# Altium PCB Time4CM4_Modular.PcbDoc (part 1 of 2)
Units mil, origin at the board's own origin, x right, y up, seen from the top; angles counter-clockwise.
Board outline 2726.38 x 1574.8 mil, 4 copper layers (Top Layer, Int1 (GND), Int2 (PWR), Bottom Layer), stack 61.418 mil thick; 31 components, 154 nets, 562 pads, 473 vias.
Unrouted connection lines stored in the file: 167.
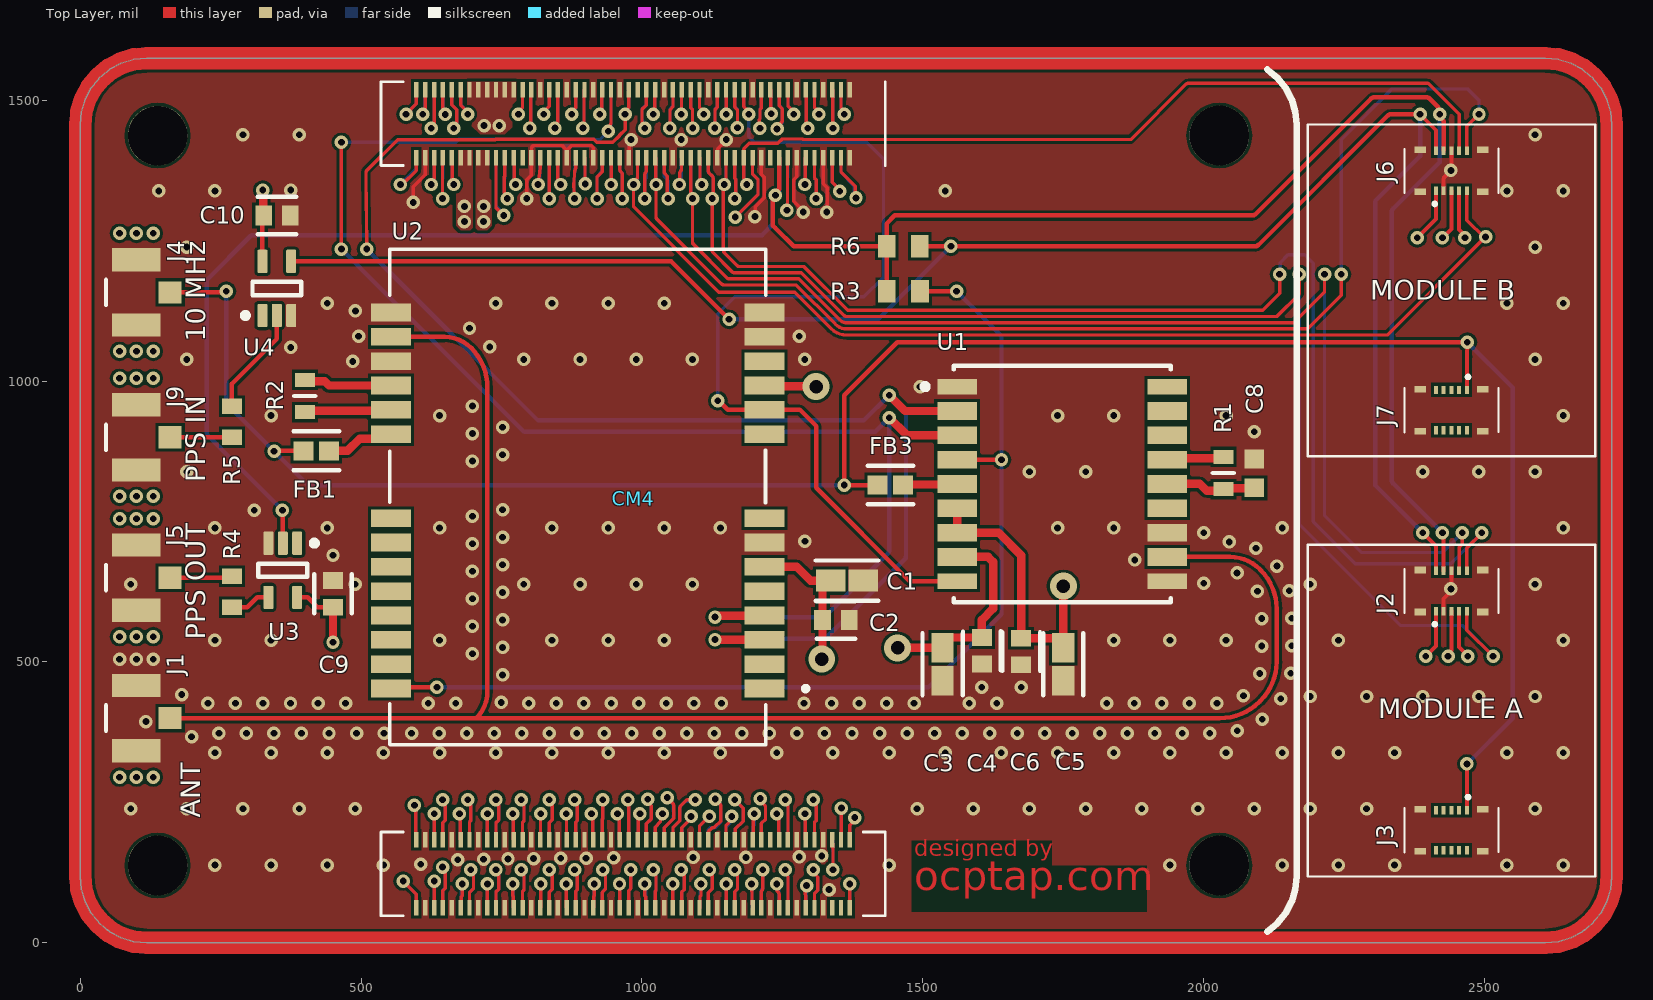
[diagram p0: Top Layer view]
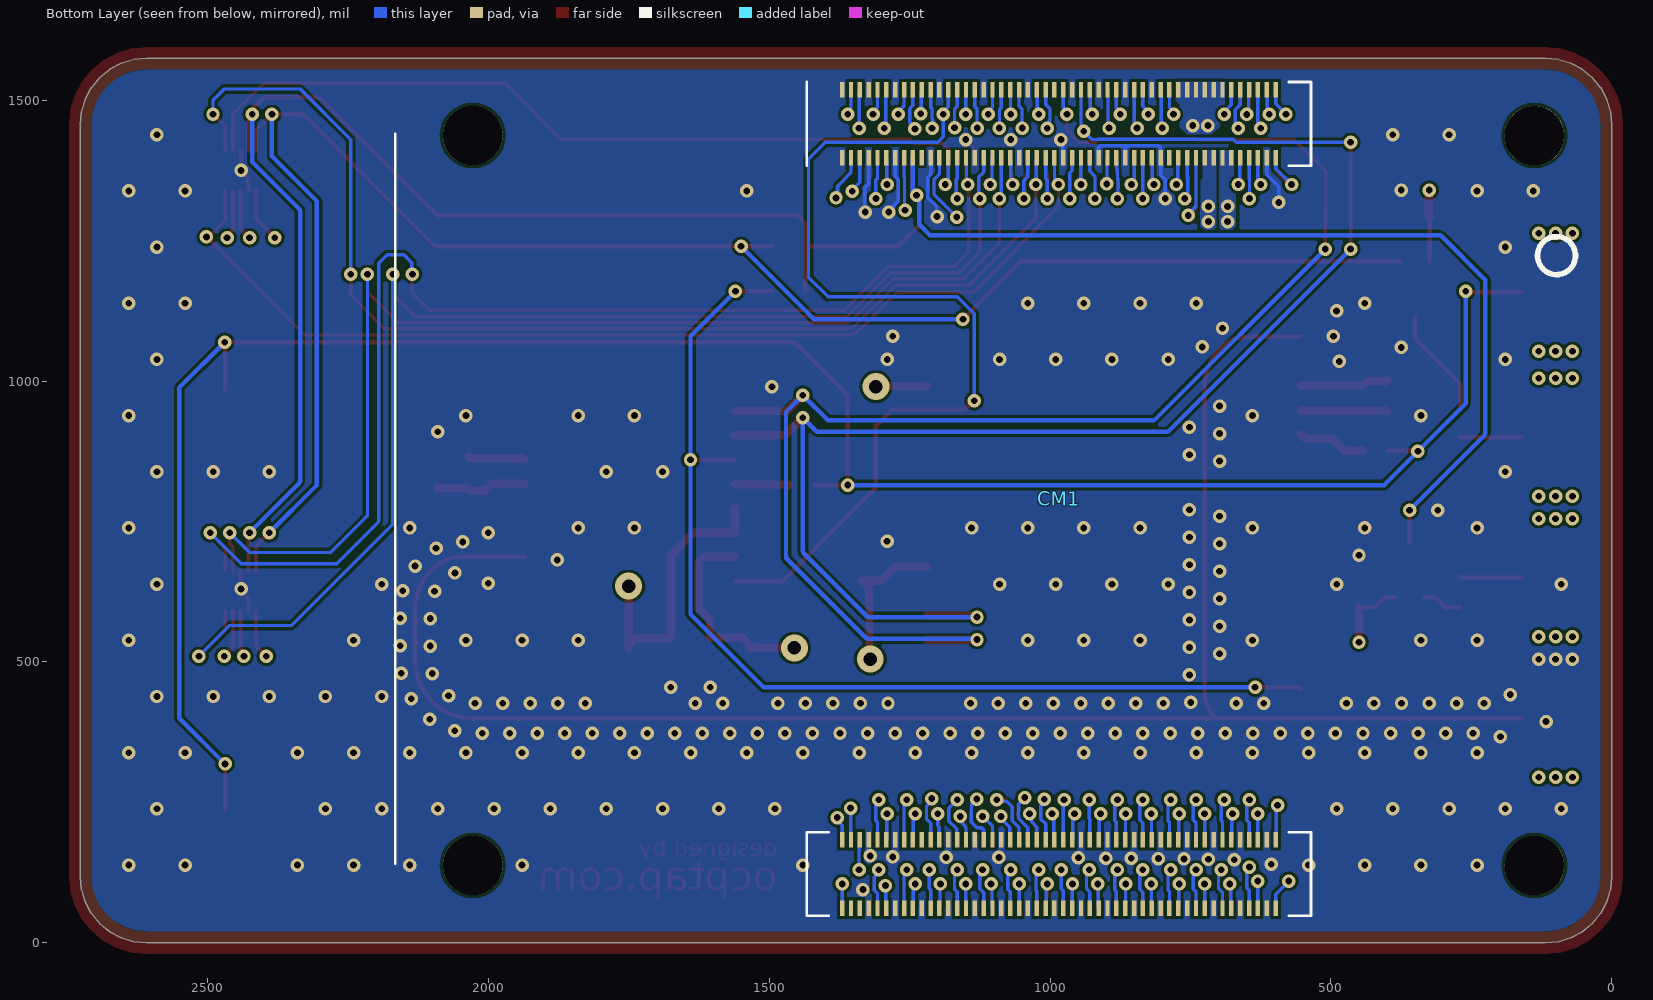
[diagram p1: Bottom Layer view, seen from below]
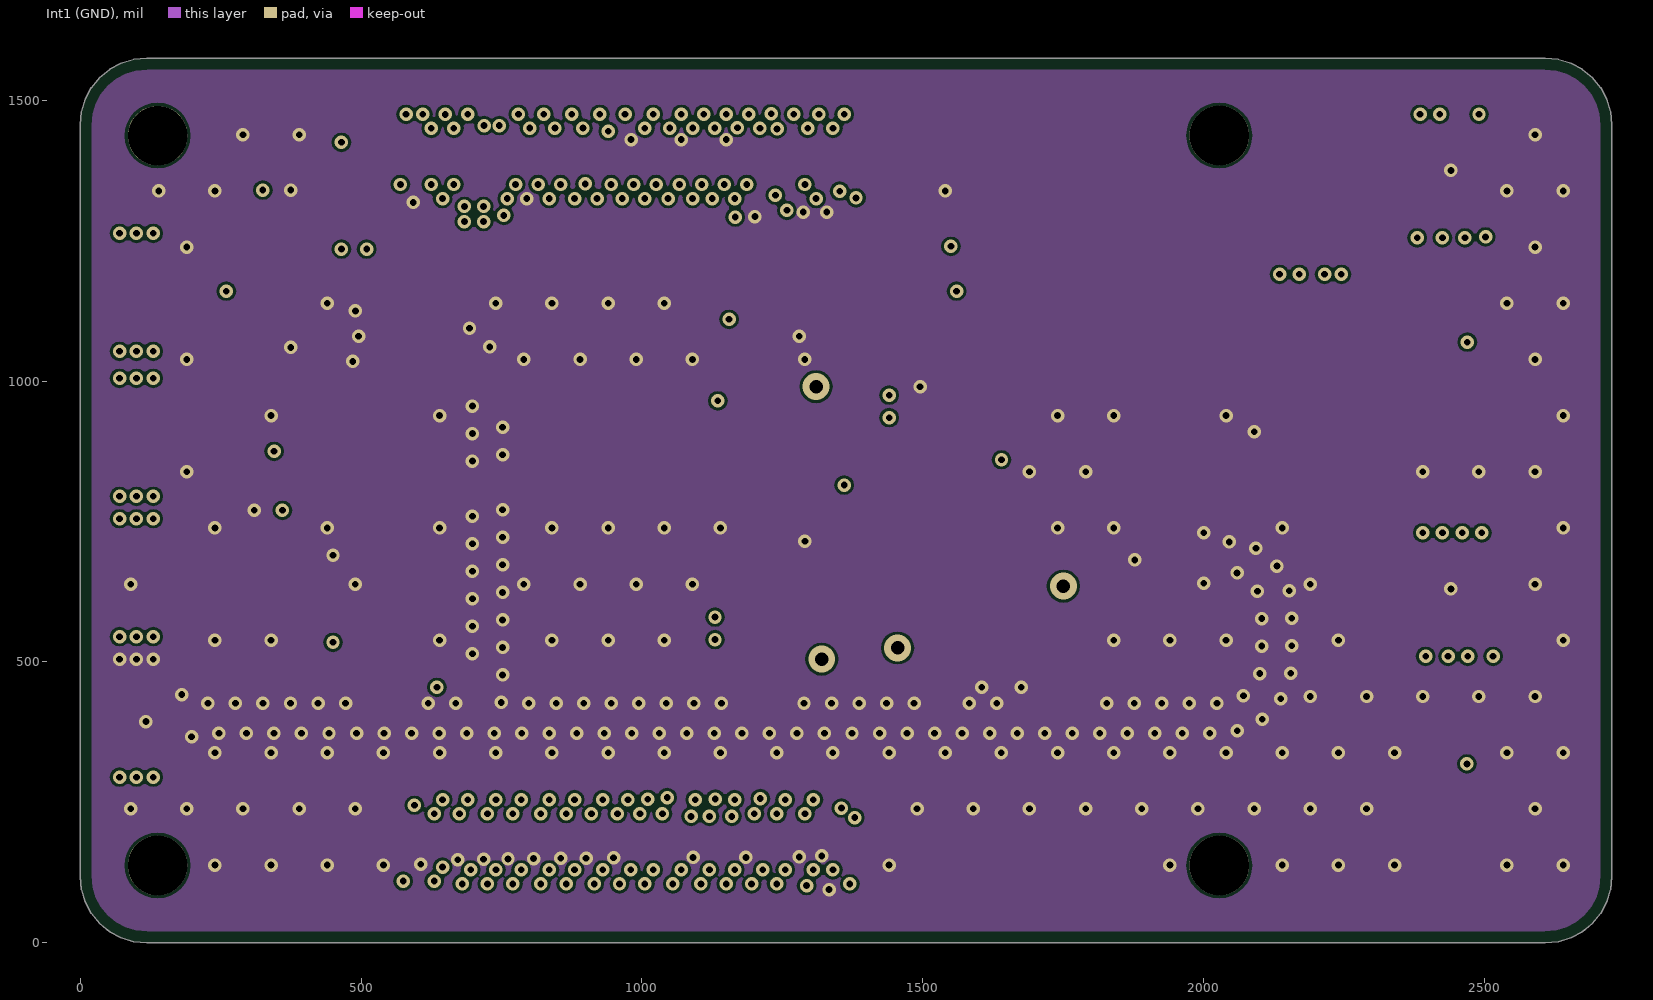
[diagram p2: Int1 (GND)]
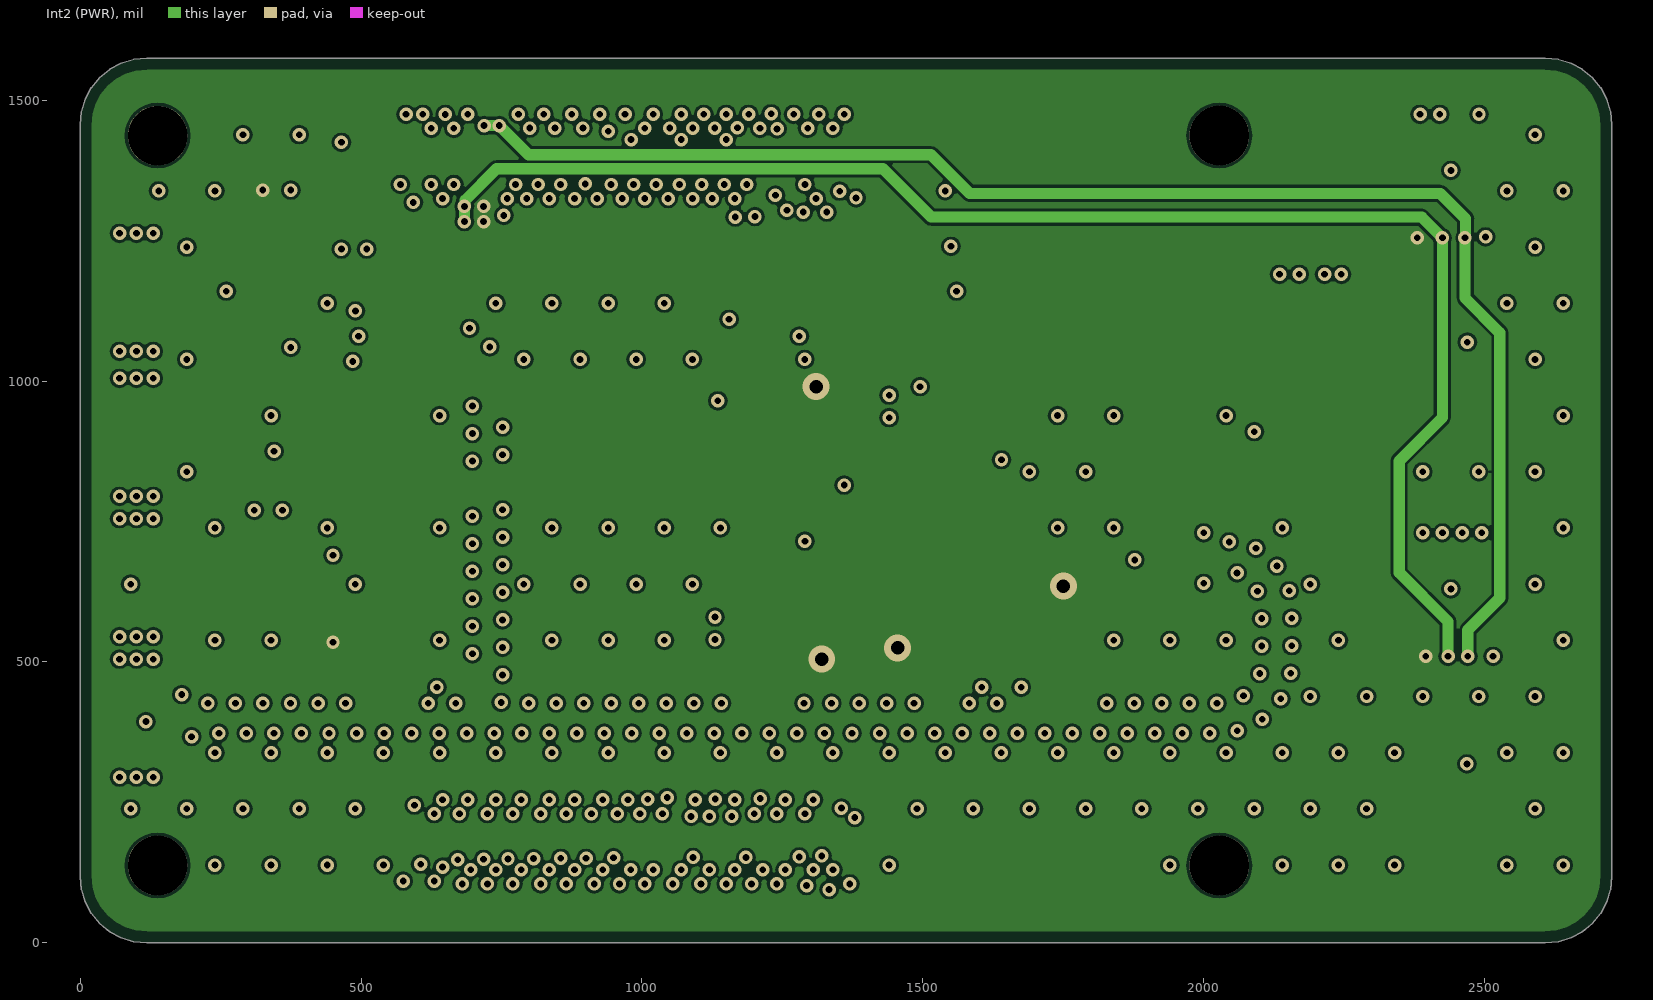
[diagram p3: Int2 (PWR)]

## Layer stack, top to bottom
Top Solder: solder mask 1, SM-001, Dk 4
Top Layer: signal copper 1.378
Dielectric 1: prepreg 2.1654, PP-017, Dk 4.3
Dielectric 2: prepreg 2.1654, PP-017, Dk 4.3
Int1 (GND): signal copper 1.378
Dielectric 3: core 47.244, Core-039, Dk 4.8
Int2 (PWR): signal copper 1.378
Dielectric 4: prepreg 2.1654, PP-017, Dk 4.3
Dielectric 5: prepreg 2.1654, PP-017, Dk 4.3
Bottom Layer: signal copper 1.378
Bottom Solder: solder mask 1, SM-001, Dk 4

## Board outline
8.99,72.91 2.27,95.07 0,118.11 0,1456.69 2.27,1479.73 8.99,1501.89 19.9,1522.31 34.59,1540.21 52.49,1554.9 72.91,1565.81 95.07,1572.53 118.11,1574.8 2608.27,1574.8 2631.31,1572.53 2653.47,1565.81 2673.89,1554.9 2691.78,1540.21 2706.47,1522.31 2717.39,1501.89 2724.11,1479.73 2726.38,1456.69 2726.38,118.11 2724.11,95.07 2717.39,72.91 2706.47,52.49 2691.78,34.59 2673.89,19.9 2653.47,8.99 2631.31,2.27 2608.27,0 118.11,0 95.07,2.27 72.91,8.99 52.49,19.9 34.59,34.59 19.9,52.49

## Design rules (kind name [scope] priority, off if disabled: settings)
BoardOutlineClearance BoardOutlineClearance_Polygon [IsPolygon] p1: gap=20 ignorepadtopadclearanceinfootprint=FALSE
Clearance [All] p1: gap=5 ignorepadtopadclearanceinfootprint=FALSE
HoleSize [All] p1: absolutevalues=TRUE maxlimit=120 minlimit=6 maxpercent=80.000 minpercent=20.000
PlaneClearance [All] p1: clearance=8
PlaneConnect [All] p1: planeconnectstyle=Direct reliefexpansion=20 reliefentries=4 reliefconductorwidth=10 reliefairgap=10
PolygonConnect [All] p1: connectstyle=Direct reliefconductorwidth=10 reliefentries=4 polygonreliefangle="90 Angle" airgapwidth=10
RoutingVias [All] p1: holewidth=6 width=20 viastyle="Through Hole" minholewidth=6 minwidth=10 maxholewidth=50 maxwidth=100
SolderMaskExpansion [All] p1: expansion=4 istentingtop=FALSE
Width [All] p1: maxlimit=150 minlimit=6 preferedwidth=10
27 further rules are at their usual default settings.

## Classes and differential pairs
net class Modular_BO_Nets: 1V8 3V3 5V 10MHz ETH_SYNC_OUT GND GNSS_RF_IN GPIO_5 GPIO_6 GPIO_11 GPIO_17 GPIO_19 GPIO_22 NetJ2_2 NetJ5_1 NetJ9_1 NetR4_2 NetR5_2
net class GNSS_Nets: 3V3 10MHz ETH_SYNC_OUT GND GNSS_RESET GNSS_RF_IN GNSS_USB_DM GNSS_USB_DP LEA_V_ANT LEA_VCC_RF MAX_V_ANT MAX_VCC_RF NetFB1_2 NetFB3_2 NetJ2_2 NetU1_13 NetU1_16 NetU1_17 NetU1_18 NetU2_1 NetU2_2 NetU2_5 NetU2_8 NetU2_9 NetU2_12 NetU2_21 NetU2_22 NetU2_23 NetU2_24 NetU2_25 NetU2_26 PPS_OUT_GNSS UART_RX UART_TX
net class CM4_IO_Conn_Nets: 1V8 3V3 5V ANAIP_0 ANAIP_1 BT_DIS CM0_C_N CM0_C_P CM0_D0_N CM0_D0_P CM0_D1_N CM0_D1_P CM1_C_N CM1_C_P CM1_D0_N CM1_D0_P CM1_D1_N CM1_D1_P CM1_D2_N CM1_D2_P CM1_D3_N CM1_D3_P CM_GPIOx DSI0_C_N DSI0_C_P DSI0_D0_N DSI0_D0_P DSI0_D1_N DSI0_D1_P DSI1_C_N DSI1_C_P DSI1_D0_N DSI1_D0_P DSI1_D1_N DSI1_D1_P DSI1_D2_N DSI1_D2_P DSI1_D3_N DSI1_D3_P ETH_LED1 ETH_LED2 ETH_LED3 ETH_PAIR0_N ETH_PAIR0_P ETH_PAIR1_N ETH_PAIR1_P ETH_PAIR2_N ETH_PAIR2_P ETH_PAIR3_N ETH_PAIR3_P ETH_SYNC_IN ETH_SYNC_OUT GLOBAL_EN GND GNSS_RESET GPIO_0 GPIO_1 GPIO_2 GPIO_3 GPIO_4 GPIO_5 GPIO_6 GPIO_7 GPIO_8 GPIO_9 GPIO_10 GPIO_11 GPIO_12 GPIO_13 GPIO_16 GPIO_17 GPIO_19 GPIO_20 GPIO_22 GPIO_23 GPIO_24 GPIO_25 GPIO_26 GPIO_27 GPIO_44 GPIO_45 GPIO_VREF HDMI0_CEC HDMI0_CLK_N HDMI0_CLK_P HDMI0_HP HDMI0_SCL HDMI0_SDA HDMI0_TX0_N HDMI0_TX0_P HDMI0_TX1_N HDMI0_TX1_P HDMI0_TX2_N HDMI0_TX2_P HDMI1_CEC HDMI1_CLK_N HDMI1_CLK_P HDMI1_HP HDMI1_SCL HDMI1_SDA HDMI1_TX0_N HDMI1_TX0_P HDMI1_TX1_N HDMI1_TX1_P HDMI1_TX2_N HDMI1_TX2_P LED_ACT LED_PWR NetCM1_20 NetCM1_49 NetCM1_76 NetCM1_104 NetCM1_106 NetCM1_119 nEXTRST nRPIBOOT PCIe_CLK_N PCIe_CLK_nREQ PCIe_CLK_P PCIe_nRST PCIe_RX_N PCIe_RX_P PCIe_TX_N PCIe_TX_P RUN_PG SD_CLK SD_CMD SD_DAT0 SD_DAT1 SD_DAT2 SD_DAT3 SD_DAT4 SD_DAT5 SD_DAT6 SD_DAT7 SD_PWR_ON SD_VDD_OR UART_RX UART_TX USB_N USB_OTG USB_P VDAC_COMP WL_DIS
net class CM4_Conn_Nets: 1V8 3V3 5V ANAIP_0 ANAIP_1 BT_DIS CM0_C_N CM0_C_P CM0_D0_N CM0_D0_P CM0_D1_N CM0_D1_P CM1_C_N CM1_C_P CM1_D0_N CM1_D0_P CM1_D1_N CM1_D1_P CM1_D2_N CM1_D2_P CM1_D3_N CM1_D3_P CM_GPIOx DSI0_C_N DSI0_C_P DSI0_D0_N DSI0_D0_P DSI0_D1_N DSI0_D1_P DSI1_C_N DSI1_C_P DSI1_D0_N DSI1_D0_P DSI1_D1_N DSI1_D1_P DSI1_D2_N DSI1_D2_P DSI1_D3_N DSI1_D3_P ETH_LED1 ETH_LED2 ETH_LED3 ETH_PAIR0_N ETH_PAIR0_P ETH_PAIR1_N ETH_PAIR1_P ETH_PAIR2_N ETH_PAIR2_P ETH_PAIR3_N ETH_PAIR3_P ETH_SYNC_IN ETH_SYNC_OUT GLOBAL_EN GND GNSS_RESET GPIO_0 GPIO_1 GPIO_2 GPIO_3 GPIO_4 GPIO_5 GPIO_6 GPIO_7 GPIO_8 GPIO_9 GPIO_10 GPIO_11 GPIO_12 GPIO_13 GPIO_16 GPIO_17 GPIO_19 GPIO_20 GPIO_22 GPIO_23 GPIO_24 GPIO_25 GPIO_26 GPIO_27 GPIO_44 GPIO_45 GPIO_VREF HDMI0_CEC HDMI0_CLK_N HDMI0_CLK_P HDMI0_HP HDMI0_SCL HDMI0_SDA HDMI0_TX0_N HDMI0_TX0_P HDMI0_TX1_N HDMI0_TX1_P HDMI0_TX2_N HDMI0_TX2_P HDMI1_CEC HDMI1_CLK_N HDMI1_CLK_P HDMI1_HP HDMI1_SCL HDMI1_SDA HDMI1_TX0_N HDMI1_TX0_P HDMI1_TX1_N HDMI1_TX1_P HDMI1_TX2_N HDMI1_TX2_P LED_ACT LED_PWR NetCM4_20 NetCM4_49 NetCM4_76 NetCM4_104 NetCM4_106 NetCM4_119 nEXTRST nRPIBOOT PCIe_CLK_N PCIe_CLK_nREQ PCIe_CLK_P PCIe_nRST PCIe_RX_N PCIe_RX_P PCIe_TX_N PCIe_TX_P RUN_PG SD_CLK SD_CMD SD_DAT0 SD_DAT1 SD_DAT2 SD_DAT3 SD_DAT4 SD_DAT5 SD_DAT6 SD_DAT7 SD_PWR_ON SD_VDD_OR UART_RX UART_TX USB_N USB_OTG USB_P VDAC_COMP WL_DIS
component class CM4_IO_Conn: CM1
net class RF: 10MHz ETH_SYNC_OUT GNSS_RF_IN NetJ2_2
component class Modular_BO: C9 C10 J1 J2 J3 J4 J5 J6 J7 J9 R4 R5 U3 U4
component class GNSS: C1 C2 C3 C4 C5 C6 C8 FB1 FB3 R1 R2 R3 R6 U1 U2
component class CM4_Conn: CM4

## Components (designator, comment, footprint, x,y, rotation, side; value= is the part's Value field where it differs from the comment)
C1 "10uF" FP-C1608-080-0_1-IPC_A 1365,645 r0 top
C2 "100nF" FP-C0603C-CF-MFG 1345,575 r0 top value="0.10 μF"
C3 "10uF" FP-C1608-080-0_1-IPC_A 1535,495.85 r270 top
C4 "100nF" FP-C0603C-CF-MFG 1605,520 r270 top value="0.10 μF"
C5 "10uF" FP-C1608-080-0_1-IPC_A 1750,495.85 r270 top
C6 "100nF" FP-C0603C-CF-MFG 1675,518.62 r270 top value="0.10 μF"
C8 "10nF" CAPC1608X90X35LL15T15 2090,835.59 r270 top
C9 "100nF" FP-C0603C-CF-MFG 450,621.38 r90 top value="0.10 μF"
C10 "100nF" FP-C0603C-CF-MFG 350,1295 r0 top value="0.10 μF"
CM1 "Raspberry Pi Compute Module 4" CM4-F40C-100DS-0.4v_1.5mm_0mm#1 1082.68,790.35 r90 bottom locked
CM4 "Raspberry Pi Compute Module 4" CM4-F40C-100DS-0.4v_1.5mm_0mm#2 1082.68,790.55 r90 top locked
FB1 "BLM18HG102SH1D" FP-BLM18-0_15-t0_8-IPC_C 420.23,875.98 r0 top
FB3 "BLM18HG102SH1D" FP-BLM18-0_15-t0_8-IPC_C 1442.32,815 r0 top
J1 "U.FL-R-SMT-1(10)" FP-U_FL-R-SMT-1_10-MFG 100,400 r270 top
J2 "BM23FR0.8-10DS-0.35V_895_" BM23FR0810DS035V895 2440.94,626.38 r0 top
J3 "BM23FR0.8-10DS-0.35V_895_" BM23FR0810DS035V895 2440.94,200.39 r180 top
J4 "U.FL-R-SMT-1(10)" FP-U_FL-R-SMT-1_10-MFG 100,1158.07 r270 top
J5 "U.FL-R-SMT-1(10)" FP-U_FL-R-SMT-1_10-MFG 100,650 r270 top
J6 "BM23FR0.8-10DS-0.35V_895_" BM23FR0810DS035V895 2440.94,1374.41 r0 top
J7 "BM23FR0.8-10DS-0.35V_895_" BM23FR0810DS035V895 2440.94,948.43 r180 top
J9 "U.FL-R-SMT-1(10)" FP-U_FL-R-SMT-1_10-MFG 100,900 r270 top
R1 "10R" FP-ERJ3EK-MFG 2035,836.46 r90 top value=10Ω
R2 "10R" FP-ERJ3EK-MFG 400,973.54 r270 top value=10Ω
R3 "0R" RESC1608X55X25ML10T15 1465.47,1160 r180 top
R4 "49.9R" RESC1608X55X25NL10T15 270,625 r270 top
R5 "49.9R" RESC1608X55X25NL10T15 270,927.56 r90 top
R6 "0R" RESC1608X55X25ML10T15 1465,1240 r0 top
U1 "MAX-M8W-0" FP-MAX-M8W-0-MFG 1748.07,816.93 r0 top
U2 "LEA-M8" LEA 885.83,787.4 r0 top
U3 "SN74AUP1G34DCKR" DCK0005A_M 360.59,663.23 r270 top
U4 "SN74AUP1G34DCKR" DCK0005A_M 350,1165 r90 top

## Footprints (in the part's own frame and the unit in brackets; to place one, negate y for a bottom-side part, rotate by r counter-clockwise, add the part's x,y. Pads: shape width x height; smd on the part's side, far side on the other; paste and mask are expansions set on the pad)
BM23FR0810DS035V895 [mm]
  rect 0.18x0.38 smd: 1(-0.7,-0.91) 2(-0.7,0.91) 3(-0.35,-0.91) 4(-0.35,0.91) 5(0,-0.91) 6(0,0.91) 7(0.35,-0.91) 8(0.35,0.91) 9(0.7,-0.91) 10(0.7,0.91)
  rect 0.52x0.3 smd: MP1(-1.405,-0.95) MP2(1.405,-0.95) MP3(1.405,0.95) MP4(-1.405,0.95)
  silkscreen extent -2.12,-1.55 2.12,1, body extent -2.12,-0.99 2.13,0.99, height 0.79
CAPC1608X90X35LL15T15 [mm] "Chip Capacitor, 2-Leads, Body 1.60x0.81mm, IPC High Density"
  rect 0.85x0.9 smd: 1(-0.65,0) 2(0.65,0)
  body extent -0.88,-0.48 0.87,0.48, height 0.9
CM4-F40C-100DS-0.4v_1.5mm_0mm#1 [mm] "DF40C-100DS-0.4v by Amornthep Phunsin"
  rect 0.7x0.2 smd: 1(18.5,7.3) 2(15.42,7.3) 3(18.5,6.9) 4(15.42,6.9) 5(18.5,6.5) 6(15.42,6.5) 7(18.5,6.1) 8(15.42,6.1) 9(18.5,5.7) 10(15.42,5.7) 11(18.5,5.3) 12(15.42,5.3) 13(18.5,4.9) 14(15.42,4.9) 15(18.5,4.5) 16(15.42,4.5) 17(18.5,4.1) 18(15.42,4.1) 19(18.5,3.7) 20(15.42,3.7) 21(18.5,3.3) 22(15.42,3.3) 23(18.5,2.9) 24(15.42,2.9) 25(18.5,2.5) 26(15.42,2.5) 27(18.5,2.1) 28(15.42,2.1) 29(18.5,1.7) 30(15.42,1.7) 31(18.5,1.3) 32(15.42,1.3) 33(18.5,0.9) 34(15.42,0.9) 35(18.5,0.5) 36(15.42,0.5) 37(18.5,0.1) 38(15.42,0.1) 39(18.5,-0.3) 40(15.42,-0.3) 41(18.5,-0.7) 42(15.42,-0.7) 43(18.5,-1.1) 44(15.42,-1.1) 45(18.5,-1.5) 46(15.42,-1.5) 47(18.5,-1.9) 48(15.42,-1.9) 49(18.5,-2.3) 50(15.42,-2.3) 51(18.5,-2.7) 52(15.42,-2.7) 53(18.5,-3.1) 54(15.42,-3.1) 55(18.5,-3.5) 56(15.42,-3.5) 57(18.5,-3.9) 58(15.42,-3.9) 59(18.5,-4.3) 60(15.42,-4.3) 61(18.5,-4.7) 62(15.42,-4.7) 63(18.5,-5.1) 64(15.42,-5.1) 65(18.5,-5.5) 66(15.42,-5.5) 67(18.5,-5.9) 68(15.42,-5.9) 69(18.5,-6.3) 70(15.42,-6.3) 71(18.5,-6.7) 72(15.42,-6.7) 73(18.5,-7.1) 74(15.42,-7.1) 75(18.5,-7.5) 76(15.42,-7.5) 77(18.5,-7.9) 78(15.42,-7.9) 79(18.5,-8.3) 80(15.42,-8.3) 81(18.5,-8.7) 82(15.42,-8.7) 83(18.5,-9.1) 84(15.42,-9.1) 85(18.5,-9.5) 86(15.42,-9.5) 87(18.5,-9.9) 88(15.42,-9.9) 89(18.5,-10.3) 90(15.42,-10.3) 91(18.5,-10.7) 92(15.42,-10.7) 93(18.5,-11.1) 94(15.42,-11.1) 95(18.5,-11.5) 96(15.42,-11.5) 97(18.5,-11.9) 98(15.42,-11.9) 99(18.5,-12.3) 100(15.42,-12.3) 101(-15.42,7.3) 102(-18.5,7.3) 103(-15.42,6.9) 104(-18.5,6.9) 105(-15.42,6.5) 106(-18.5,6.5) 107(-15.42,6.1) 108(-18.5,6.1) 109(-15.42,5.7) 110(-18.5,5.7) 111(-15.42,5.3) 112(-18.5,5.3) 113(-15.42,4.9) 114(-18.5,4.9) 115(-15.42,4.5) 116(-18.5,4.5) 117(-15.42,4.1) 118(-18.5,4.1) 119(-15.42,3.7) 120(-18.5,3.7) 121(-15.42,3.3) 122(-18.5,3.3) 123(-15.42,2.9) 124(-18.5,2.9) 125(-15.42,2.5) 126(-18.5,2.5) 127(-15.42,2.1) 128(-18.5,2.1) 129(-15.42,1.7) 130(-18.5,1.7) 131(-15.42,1.3) 132(-18.5,1.3) 133(-15.42,0.9) 134(-18.5,0.9) 135(-15.42,0.5) 136(-18.5,0.5) 137(-15.42,0.1) 138(-18.5,0.1) 139(-15.42,-0.3) 140(-18.5,-0.3) 141(-15.42,-0.7) 142(-18.5,-0.7) 143(-15.42,-1.1) 144(-18.5,-1.1) 145(-15.42,-1.5) 146(-18.5,-1.5) 147(-15.42,-1.9) 148(-18.5,-1.9) 149(-15.42,-2.3) 150(-18.5,-2.3) 151(-15.42,-2.7) 152(-18.5,-2.7) 153(-15.42,-3.1) 154(-18.5,-3.1) 155(-15.42,-3.5) 156(-18.5,-3.5) 157(-15.42,-3.9) 158(-18.5,-3.9) 159(-15.42,-4.3) 160(-18.5,-4.3) 161(-15.42,-4.7) 162(-18.5,-4.7) 163(-15.42,-5.1) 164(-18.5,-5.1) 165(-15.42,-5.5) 166(-18.5,-5.5) 167(-15.42,-5.9) 168(-18.5,-5.9) 169(-15.42,-6.3) 170(-18.5,-6.3) 171(-15.42,-6.7) 172(-18.5,-6.7) 173(-15.42,-7.1) 174(-18.5,-7.1) 175(-15.42,-7.5) 176(-18.5,-7.5) 177(-15.42,-7.9) 178(-18.5,-7.9) 179(-15.42,-8.3) 180(-18.5,-8.3) 181(-15.42,-8.7) 182(-18.5,-8.7) 183(-15.42,-9.1) 184(-18.5,-9.1) 185(-15.42,-9.5) 186(-18.5,-9.5) 187(-15.42,-9.9) 188(-18.5,-9.9) 189(-15.42,-10.3) 190(-18.5,-10.3) 191(-15.42,-10.7) 192(-18.5,-10.7) 193(-15.42,-11.1) 194(-18.5,-11.1) 195(-15.42,-11.5) 196(-18.5,-11.5) 197(-15.42,-11.9) 198(-18.5,-11.9) 199(-15.42,-12.3) 200(-18.5,-12.3)